# Altium PCB uz_per_voltage_measurement.PcbDoc (part 1 of 2) (continued)
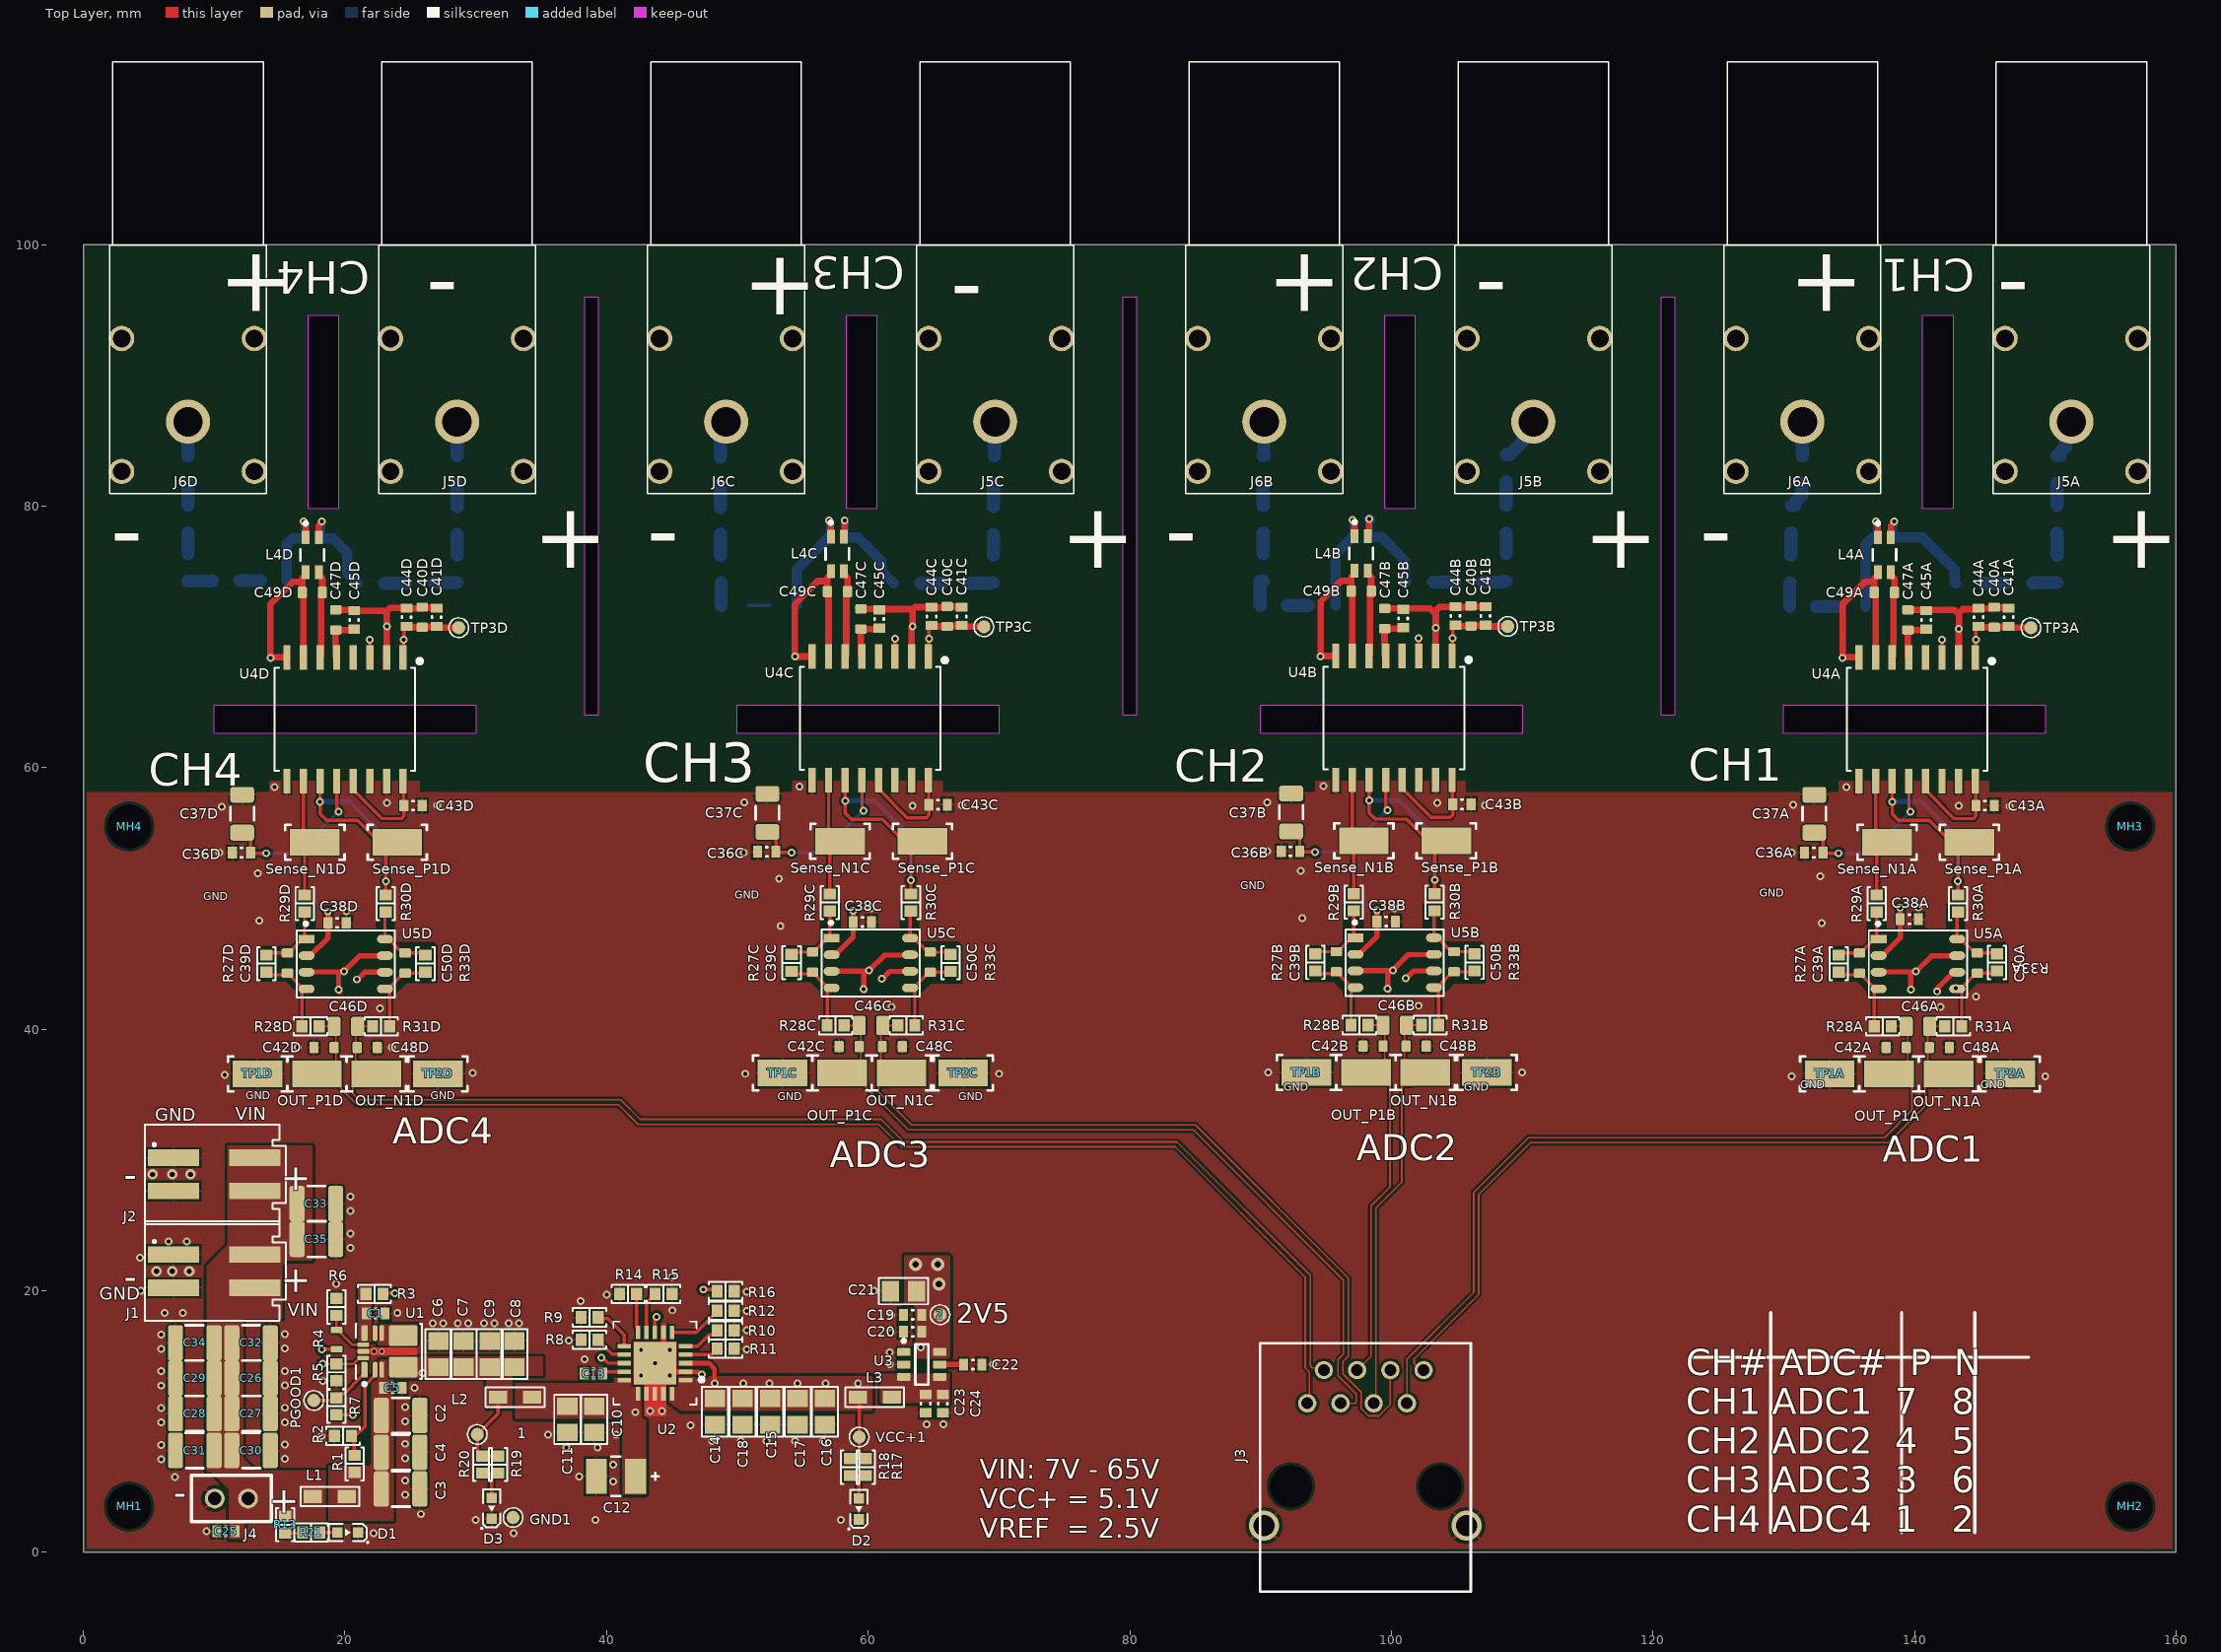
[diagram p0: Top Layer view]
## Footprints (in the part's own frame and the unit in brackets; to place one, negate y for a bottom-side part, rotate by r counter-clockwise, add the part's x,y. Pads: shape width x height; smd on the part's side, far side on the other; paste and mask are expansions set on the pad) (continued)
  silkscreen extent -4.6,-5.37 3.92,5.87, body extent -5.32,-5.25 5.32,5.25, height 2.64
TI_SOT23_6-Leads [mm] "SOT23, 6-Leads, Body 3.05x1.75mm, Pitch 0.95mm, IPC Medium Density"
  rrect17% 1x0.6 smd: 1(-1.375,0.95) 2(-1.375,0) 3(-1.375,-0.95) 4(1.375,-0.95) 5(1.375,0) 6(1.375,0.95)
  silkscreen extent -1.5,-1.55 0.5,1.92, body extent -1.42,-1.46 1.42,1.46, height 1.11
TP_1mm [mm]
  round 1 smd paste-1: 1(0,0)
  silkscreen extent -0.75,-0.75 0.75,0.75
TSW-102-XX-XXX-S [mil]
  round 60 hole 40 mask+3: 1(-50,0) 2(50,0)
  silkscreen extent -120,-70 120,70, body extent -105,-50 100,50, height 330
UZ_Logo_small [mm] "logo width 3cm"
  silkscreen extent -0.05,0.57 29.94,12.12
"WE-CBF_0805_High Current" [mm] "SMD EMI Suppression Ferrite  Bead, body 2.0mmx1.2mm"
  rect 1.4x1 smd: 1(-1.3,0) 2(1.3,0)
  silkscreen extent -2.25,-0.75 2.25,0.75, body extent -1,-0.6 1,0.6, height 0.93
WL-SMCW_0603 [mm] "SMD Mono-color Chip LED, body 1.6x0.8mm"
  rect 0.8x0.8 smd: 1(-0.8,0) 2(0.8,0)
  silkscreen extent -1.59,-0.65 1.45,0.83, body extent -0.8,-0.4 0.8,0.4, height 0.7

## Part data
1 2 VCC+1: library part NULL, "Testpoint 1mm", Component Type=Testpoint, Created=2018_06_25_AGeiger, Created from=AGeiger, Created On="20/09/2022 13:14:57", Last Updated="20/09/2022 13:15:39", Live Cycle Status=1, Manufacturer=NULL, Manufacturer Part Number=NULL, PartID=9, Supplier 1=NULL, Supplier Part Number 1=NULL, Type=Testpoint
C1 C13 C20 C22 C24 C36A C36B C36C C36D: library part CL10A105KB8NNNC, "50V 1uF X5R ±10% 0603  Multilayer Ceramic Capacitors MLCC - SMD/SMT ROHS", Device Package=0603, LCSC Part Number=C15849, Manufacturer="Samsung Electro-Mechanics", Operating Temperature="-55 - 85°C", Tolerance="10 %", Voltage Rating="50 VDC", Component Type="Capacitor 0603", ComponentLink1Description=Datasheet, ComponentLink1URL=https://datasheet.lcsc.com/lcsc/1810261812_Samsung-Electro-Mechanics-CL10A105KB8NNNC_C15849.pdf, Created from=MGremer, Live Cycle Status=1, Manufacturer Part Number=CL10A105KB8NNNC, Mounting Type=SMD, PartID=5, Series=M, Stock number="Labor SMD Container", Supplier 1=LCSC, Supplier Part Number 1=C15849, Type=Capacitor
  C1 C13 C20 C22 C24: Created On="20/12/2020 13:54:13", Last Updated="28/11/2022 17:23:01"
  C36A C36B C36C C36D: Created On="20.12.2020 13:54:13", Last Updated="28.11.2022 17:23:01"
C2 C3 C4 C26 C27 C28 C29 C30 C31 C32 C33 C34 C35: library part FS32X225K101EGG, "100V 2.2uF X7R ±10% 1210 Multilayer Ceramic Capacitors MLCC - SMD/SMT ROHS", Device Package=1210, LCSC Part Number=C153036, Manufacturer="PSA(Prosperity Dielectrics)", Operating Temperature="-55 to +125°C", Tolerance=10%, Voltage Rating="100 VDC", Component Type="Capacitor 1210", ComponentLink1Description=Datasheet, ComponentLink1URL=https://www.lcsc.com/datasheet/lcsc_datasheet_2410121308_PSA-Prosperity-Dielectrics-FS32X225K101EGG_C153036.pdf, Created from=AGeiger, Created On="11.03.2025 16:22:30", Last Updated="27.05.2025 19:11:48", Live Cycle Status=1, Manufacturer Part Number=FS32X225K101EGG, Mounting Type=SMD, PartID=170, Series=FS, Supplier 1=LCSC, Supplier Part Number 1=C153036, Type=Capacitor
C5 C19 C23 C25 C38A C38B C38C C38D: library part C1608X7S2A104KT000N, "100V 100nF X7S ±10% 0603 Multilayer Ceramic Capacitors MLCC - SMD/SMT ROHS", Device Package=0603, LCSC Part Number=C343025, Manufacturer=TDK, Operating Temperature="-55 to 125°C", Tolerance="10 %", Voltage Rating="100 VDC", Component Type="Capacitor 0603", ComponentLink1Description=Datasheet, ComponentLink1URL=https://datasheet.lcsc.com/lcsc/2304140030_TDK-C1608X7S2A104KT000N_C343025.pdf, Created from=AGeiger, Live Cycle Status=1, Manufacturer Part Number=C1608X7S2A104KT000N, Mounting Type=SMD, PartID=148, Series=X7R, Stock number="not stored", Supplier 1=LCSC, Supplier Part Number 1=C343025, Type=Capacitor
  C5 C19 C23 C38A C38B C38C C38D: Created On="20.12.2020 13:54:13", Last Updated="14.12.2022 12:14:21"
  C25: Created On="20/12/2020 13:54:13", Last Updated="14/12/2022 12:14:21"
C6 C7 C8 C9 C10 C11 C14 C15 C16 C17 C18 C21: library part GRM21BR6YA106KE43L, "Capacitor 0805, 35 VDC, 10 µF, X5R", Device Package=0805, LCSC Part Number=C162422, Manufacturer=muRata, Operating Temperature="-55 - 85°C", Supplier Part Number 1=81-GRM21BR6YA106KE3L, Tolerance="10 %", Voltage Rating="35 VDC", Component Type="Capacitor 0805", ComponentLink1Description=Datasheet, ComponentLink1URL=https://www.mouser.de/datasheet/2/281/murata_03052018_GRM_Series_1-1310166.pdf, Created from=MGremer, Created On="20.12.2020 13:54:13", Last Updated="20.12.2020 17:44:37", Live Cycle Status=1, Manufacturer Part Number=GRM21BR6YA106KE43L, Mounting Type=SMD, PartID=28, Series=GRM, Stock number="Labor SMD Container", Supplier 1=Mouser, Type=Capacitor
C12: library part 10TPE47MAZB, "Tantalum Capacitors - Polymer 10volts 47uF ESR 35mohm", Device Package="1210 (3528 metric)", LCSC Part Number=C147768, Manufacturer=Panasonic, Operating Temperature="-55 to +105°C", Supplier Part Number 1=667-10TPE47MAZB, Tolerance="20 %", Voltage Rating="10 VDC", Component Type="Tantalum Capacitor", ComponentLink1Description=Datasheet, ComponentLink1URL=https://industrial.panasonic.com/cdbs/www-data/pdf/AAA8000/AAA8000C36.pdf, Created from=Kilhan, Created On="26/06/2025 16:14:36", Last Updated="26/06/2025 16:39:07", Live Cycle Status=1, Manufacturer Part Number=10TPE47MAZB, Mounting Type=SMD, PartID=173, Series=TPE, Stock number="not stored", Supplier 1=Mouser, Supplier 2=LCSC, Supplier Part Number 2=C147768, Type=Capacitor
C37A C37B C37C C37D: library part CC1206KRX7R9BB102, "1nF 50V X7R ±10% 1206 Multilayer Ceramic Capacitors MLCC - SMD/SMT ROHS", Device Package=1206, LCSC Part Number=C107207, Manufacturer=YAGEO, Operating Temperature="-55 to +125°C", Tolerance="10 %", Voltage Rating="50 VDC", Component Type="Capacitor 1206", ComponentLink1Description=Datasheet, ComponentLink1URL=https://jlcpcb.com/partdetail/YAGEO-CC1206KRX7R9BB102/C107207, Created from=NDiringer, Created On="25.08.2025 08:45:14", Last Updated="25.08.2025 08:45:14", Live Cycle Status=1, Manufacturer Part Number=CC1206KRX7R9BB102, Mounting Type=SMD, PartID=505, Series=X7R, Stock number="not stored", Supplier 1=JLCPCB, Supplier 2=LCSC, Supplier Part Number 1=C107207, Supplier Part Number 2=C107207, Type=Capacitor
C39A C39B C39C C39D C49A C49B C49C C49D C50A C50B C50C C50D: library part CL10C220JB8NNNC, "50V 22pF C0G ±5% 0603 Multilayer Ceramic Capacitors MLCC - SMD/SMT ROHS", Device Package=0603, LCSC Part Number=C1653, Manufacturer="Samsung Electro-Mechanics", Operating Temperature="–55 to 125°C", Tolerance=5%, Voltage Rating=50V, Component Type="Capacitor 0603", ComponentLink1Description=Datasheet, ComponentLink1URL=https://jlcpcb.com/api/file/downloadByFileSystemAccessId/8579707043277824000, Created from=Kilhan, Created On="22.06.2025 13:02:55", Last Updated="22.06.2025 13:02:55", Live Cycle Status=1, Manufacturer Part Number=CL10C220JB8NNNC, Mounting Type=SMD, PartID=172, Series=C0G, Stock number="not stored", Supplier 1=LCSC, Supplier Part Number 1=C1653, Type=Capacitor
C40A C40B C40C C40D C47A C47B C47C C47D: library part CC0603KRX7R9BB102, "1nF 50V X7R ±10% 0603 Multilayer Ceramic Capacitors MLCC - SMD/SMT ROHS", Device Package=0603, LCSC Part Number=C100040, Manufacturer=YAGEO, Operating Temperature="-55 to +125°C", Tolerance="10 %", Voltage Rating="50 VDC", Component Type="Capacitor 0603", ComponentLink1Description=Datasheet, ComponentLink1URL=https://jlcpcb.com/partdetail/YAGEO-CC0603KRX7R9BB102/C100040, Created from=NDiringer, Created On="25.08.2025 09:10:16", Last Updated="25.08.2025 09:34:56", Live Cycle Status=1, Manufacturer Part Number=CC0603KRX7R9BB102, Mounting Type=SMD, PartID=507, Series=X7R, Stock number="not stored", Supplier 1=JLCPCB, Supplier 2=LCSC, Supplier Part Number 1=C100040, Supplier Part Number 2=C100040, Type=Capacitor
C41A C41B C41C C41D: library part CC0603KRX5R9BB105, "1uF 50V X5R ±10% 0603 Multilayer Ceramic Capacitors MLCC - SMD/SMT ROHS", Device Package=0603, LCSC Part Number=C15849, Manufacturer=YAGEO, Operating Temperature="-55 to +125°C", Supplier Part Number 1=C128624, Tolerance="10 %", Voltage Rating="50 VDC", Component Type="Capacitor 0603", ComponentLink1Description=Datasheet, ComponentLink1URL=https://jlcpcb.com/partdetail/YAGEO-CC0603KRX5R9BB105/C128624, Created from=NDiringer, Created On="25.08.2025 09:26:51", Last Updated="25.08.2025 09:28:02", Live Cycle Status=1, Manufacturer Part Number=CC0603KRX5R9BB105, Mounting Type=SMD, PartID=508, Series=X7R, Stock number="not stored", Supplier 1=JLCPCB, Supplier 2=LCSC, Supplier Part Number 2=C15849, Type=Capacitor
C42A C42B C42C C42D C48A C48B C48C C48D: library part CC0603JRX7R9BB683, "50V 68nF X7R ±5% 0603 Multilayer Ceramic Capacitors MLCC - SMD/SMT ROHS", Device Package=0603, LCSC Part Number=C309475, Manufacturer=YAGEO, Operating Temperature="-55 to +125°C", Tolerance="5 %", Voltage Rating="50 VDC", Component Type="Capacitor 0603", ComponentLink1Description=Datasheet, ComponentLink1URL=https://jlcpcb.com/partdetail/YAGEO-CC0603JRX7R9BB683/C309475, Created from=NDiringer, Created On="14.08.2025 15:37:55", Last Updated="25.08.2025 09:35:07", Live Cycle Status=1, Manufacturer Part Number=CC0603JRX7R9BB683, Mounting Type=SMD, PartID=503, Series=X7R, Stock number="not stored", Supplier 1=JLCPCB, Supplier Part Number 1=C309475, Type=Capacitor
C43A C43B C43C C43D C44A C44B C44C C44D C45A C45B C45C C45D: library part CC0603KRX7R9BB104, "Capacitor 0603, 50 VDC, 100 nF, X7R", Device Package=0603, LCSC Part Number=C14663, Manufacturer=YAGEO, Operating Temperature="-55 - 125°C", Tolerance="10 %", Voltage Rating="50 VDC", Component Type="Capacitor 0603", ComponentLink1Description=Datasheet, ComponentLink1URL=https://datasheet.lcsc.com/lcsc/1809301912_YAGEO-CC0603KRX7R9BB104_C14663.pdf, Created from=AGeiger, Created On="22.08.2022 14:35:53", Last Updated="22.08.2022 14:35:53", Live Cycle Status=1, Manufacturer Part Number=CC0603KRX7R9BB104, Mounting Type=SMD, PartID=102, Series=X7R, Supplier 1=LCSC, Supplier 2=Mouser, Supplier Part Number 1=C14663, Supplier Part Number 2=603-CC603KRX7R9BB104, Type=Capacitor
C46A C46B C46C C46D: library part CC0805KKX7R9BB684, "50V 680nF X7R ±10% 0805 Multilayer Ceramic Capacitors MLCC - SMD/SMT ROHS", Device Package=0805, LCSC Part Number=C107133, Manufacturer=YAGEO, Operating Temperature="-55 to +125°C", Tolerance="10 %", Voltage Rating="50 VDC", Component Type="Capacitor 0805", ComponentLink1Description=Datasheet, ComponentLink1URL=https://jlcpcb.com/partdetail/YAGEO-CC0805KKX7R9BB684/C107133, Created from=NDiringer, Created On="14.08.2025 15:43:13", Last Updated="14.08.2025 15:43:13", Live Cycle Status=1, Manufacturer Part Number=CC0805KKX7R9BB684, Mounting Type=SMD, PartID=504, Series=X7R, Stock number="not stored", Supplier 1=JLCPCB, Supplier Part Number 1=C107133, Type=Capacitor
D1 D2 D3: "LED RED 520~625NM 90~100MCD@20MA TOP VIEW 0603 ROHS", Color=red, Device Package=0603, Forward Current I_f="20 mA", Forward Voltage U_f="2.1 V", LCSC Part Number=C2286, Manufacturer="Hubei KENTO Elec", Nominal Power="42 mW", Operating Temperature="-40 - 85 °C", Component Type="LED Diode", ComponentLink1Description=Datasheet, ComponentLink1URL=https://datasheet.lcsc.com/szlcsc/Hubei-KENTO-Elec-KT-0603R_C2286.pdf, Created from="T. Wendt", Created On="03/03/2021 10:06:23", Last Updated="04/03/2021 09:02:49", Light Intensity="110 mcd", Live Cycle Status=1, Manufacturer Part Number=KT-0603R, Mounting Type=SMD, PartID=8, Stock number="not stored", Supplier 1=LCSC, Supplier Part Number 1=C2286, Type=Standard, Wavelength="620 nm"
GND1 PGOOD1 TP3A TP3B TP3C TP3D: library part NULL, Component Type=Testpoint, Created=2018_06_25_AGeiger, Created from=AGeiger, Live Cycle Status=1, Manufacturer=NULL, Manufacturer Part Number=NULL, PartID=9, Supplier 1=NULL, Supplier Part Number 1=NULL, Type=Testpoint
  GND1: Created On="20/09/2022 13:14:57", Last Updated="20/09/2022 13:15:39"
  PGOOD1 TP3A TP3B TP3C TP3D: Created On="20.09.2022 13:14:57", Last Updated="20.09.2022 13:15:39"
INFO1: "Design InformationS", Manufacturer=UltraZohm, Supplier Part Number 1=-, Component Type="Design Information", ComponentLink1Description=https://docs.ultrazohm.com/, ComponentLink1URL=homepage, Created from=MGremer, Created On="03.11.2021 09:04:23", Last Updated="03.11.2021 09:28:34", Live Cycle Status=1, Manufacturer Part Number="Design Information", PartID=12, Supplier 1=-, Type="Design Information"
J1 J2: "P=2.54mm Wire To Board Connector ROHS", Device Package=Connector, LCSC Part Number=C7437440, Manufacturer=SAMTEC, Operating Temperature="-55 - +125 °C", Supplier Part Number 1=200-IPL110202LDK, Component Type="Samtec Connector", ComponentLink1Description=Datasheet, ComponentLink1URL=https://wmsc.lcsc.com/wmsc/upload/file/pdf/v2/lcsc/2312312026_Samtec-IPL1-102-02-L-D-K_C7437440.pdf, Created from=KIlhan, Created On="20/03/2025 08:58:37", Last Updated="20/03/2025 09:02:48", Live Cycle Status=1, Manufacturer Part Number=IPL1-102-02-L-D-K, Mounting Type=THT, Number of positions=2, Number of rows=2, PartID=59, Stock number="not stored", Supplier 1=Mouser, Supplier 2=LCSC, Supplier Part Number 2=C7437440, Type=Connector
J3: "RJ45Receptacle 1 Shielded Bend insert Without LED 0℃~+70℃ Plugin Ethernet Connectors / Modular Connectors (RJ45 RJ11) ROHS", LCSC Part Number=C386758, Manufacturer="Ckmtw(Shenzhen Cankemeng)", Operating Temperature=0℃~+70℃, ComponentLink1Description=Datasheet, ComponentLink1URL=https://jlcpcb.com/api/file/downloadByFileSystemAccessId/8588892085580021760, Created from=KIlhan, Created On="20/03/2025 09:19:07", Last Updated="20/03/2025 13:46:21", Manufacturer Part Number=R-RJ45R10P-B000, Mounting Type=THT, PartID=57, Series=RJ45, Supplier 1=LCSC, Supplier Part Number 1=C386758
J4: "Pin Header, 2.54mm, 2x1", Device Package=THT, Manufacturer=SAMTEC, Operating Temperature="-55 to +125 °C", Supplier Part Number 1=200-TSW10207FS, Component Type="Pin Header", ComponentLink1Description=Datasheet, ComponentLink1URL=https://suddendocs.samtec.com/catalog_english/tsw_th.pdf, CREATED BY="May 18, 2016 - Wendy Xin", Created from=AGeiger, Created On="02/12/2022 15:20:24", Last Updated="02/12/2022 15:20:30", Live Cycle Status=1, Manufacturer Part Number=TSW-102-07-F-S, Mounting Type=THT, Number of positions=2, Number of rows=1, PartID=13, PCB DECAL=TSW-102-XX-XXX-S, Series=TSW, Stock number="not stored", Supplier 1=Mouser, Type="Pin Header"
J5A J5B J5C J5D: library part FCR7350R, "FCR7350B, 1000V, 24A, RED", Device Package=THT, LCSC Part Number=C7437326, Manufacturer=Cliff, Operating Temperature="-40°C - 80°C", Supplier Part Number 1=3185-FCR7350R-ND, Component Type="PCB mount 4mm jack, Red", ComponentLink1Description=datasheet, ComponentLink1URL=https://www.cliffuk.co.uk/products/testleads/sockets/S16NPC.pdf, ComponentLink2Description=drawing, ComponentLink2URL=https://media.digikey.com/pdf/Data%20Sheets/Cliff%20Electronic%20LTD%20PDF's/FCR7350_Drawing.pdf, Created from=DHufnagel, Created On="13.06.2022 10:18:11", Last Updated="21.02.2024 15:19:13", Live Cycle Status=1, Manufacturer Part Number=FCR7350R, Minimum Order=1, Mounting Type=THT, PartID=7, Series=S16N-PC, Stock number="not stored", Supplier 1=Digi-Key, Supplier 2=farnell, Supplier 3=LCSC, Supplier Part Number 2=1854508, Supplier Part Number 3=C7437326, Type="PCB mount 4mm jack, Red FCR7350R, 1000V, 24A"
J6A J6B J6C J6D: library part FCR7350B, "FCR7350B, 1000V, 24A, BLACK", Device Package=THT, LCSC Part Number=C7437327, Manufacturer=Cliff, Operating Temperature="-40°C - 80°C", Supplier Part Number 1=3185-FCR7350B-ND, Component Type="PCB mount 4mm jack, Black", ComponentLink1Description=datasheet, ComponentLink1URL=https://www.cliffuk.co.uk/products/testleads/sockets/S16NPC.pdf, ComponentLink2Description=drawing, ComponentLink2URL=https://media.digikey.com/pdf/Data%20Sheets/Cliff%20Electronic%20LTD%20PDF's/FCR7350_Drawing.pdf, Created from=DHufnagel, Created On="13.06.2022 10:18:11", Last Updated="21.02.2024 15:21:29", Live Cycle Status=1, Manufacturer Part Number=FCR7350B, Minimum Order=1, Mounting Type=THT, PartID=6, Series=S16N-PC, Stock number="not stored", Supplier 1=Digi-Key, Supplier 2=farnell, Supplier 3=LCSC, Supplier Part Number 2=1854507, Supplier Part Number 3=C7437327, Type="PCB mount 4mm jack, Black	FCR7350B, 1000V, 24A"
L1 L2 L3: library part 742792040, "Inductance, 0805, 100 MHz, 600 Ohm, 2 A", DC current="2 A", Device Package=0805, LCSC Part Number=C2661857, Manufacturer="Wuerth Elektronik", Operating Temperature="-55 - 125 °C", Supplier Part Number 1=710-742792040, Component Type=Inductance, ComponentLink1Description=Datasheet, ComponentLink1URL=https://www.mouser.de/datasheet/2/445/742792040-1720361.pdf, Created from=AGeiger, Created On="18/01/2021 14:53:17", Last Updated="22/08/2024 07:43:45", Live Cycle Status=1, Manufacturer Part Number=742792040, Mounting Type=SMD, PartID=1, Series=WE-CBF, Stock number="not stored", Supplier 1=Mouser, Type="Inductance SMD"
L4A L4B L4C L4D: library part CMP-06045-000034-1, "CMC 200MA 2LN 2.2 KOHM SMD", Case Code (Imperial)=1206, Current=200mA, DC Resistance (DCR)=1.2R, Insulation Resistance=10MR, Max Operating Temperature=85°C, Min Operating Temperature=-40°C, Package Quantity=1, Resistor Type=Wirewound, Self Resonant Frequency=100MHz, Tolerance=25%, Voltage Rating=50V, Voltage Rating (DC)=125V, Case/Package=1206, Current Rating=200mA, DC current=200mA, Depth=1.8mm, Height=1.9mm, Impedance=2.2kR, Lead Free="Lead Free", Length=3.2mm, Max DC Current=200mA, Military Standard=Not, Mount="Surface Mount", Number of Lines=2, Number of Pins=4, Packaging="Tape and Reel", Radiation Hardening=No, REACH SVHC="No SVHC", Shielding=Unshielded, Termination=SMD/SMT, Test Frequency=100MHz, Weight=0.001376oz, Width=0.063inch
LOGO1: library part "Logo small", Manufacturer=UltraZohm, Supplier Part Number 1=-, Component Type=Logo, ComponentLink1Description=https://docs.ultrazohm.com/, ComponentLink1URL=homepage, Created=Jan2021_Liegmann, Created from=MGremer, Created On="03.11.2021 09:04:23", Last Updated="03.11.2021 09:05:50", Live Cycle Status=1, Manufacturer Part Number="Logo small", PartID=10, Supplier 1=-, Type=Logo
MH1 MH2 MH3 MH4: Device Package=-, Component Type="Mounting Hole", ComponentLink1Description=Datasheet, Created from=MHlatky, Created On="26.01.2021 09:19:51", Last Updated="21.03.2022 23:05:12", Live Cycle Status=1, Manufacturer="Mounting Hole", Manufacturer Part Number="Mounting Hole", PartID=16, Stock number="not stored", Supplier 1="Mounting Hole", Supplier Part Number 1="Mounting Hole", Type="Mounting Hole"
OUT_N1A OUT_N1B OUT_N1C OUT_N1D OUT_P1A OUT_P1B OUT_P1C OUT_P1D Sense_N1A Sense_N1B Sense_N1C Sense_N1D Sense_P1A Sense_P1B Sense_P1C Sense_P1D TP1A TP1B TP1C TP1D TP2A TP2B TP2C TP2D: "Circuit Board Hardware - PCB SM TEST POINT ON T&R - MINIATURE", Device Package=SMD, LCSC Part Number=C5199798, Manufacturer="Keystone Electronics", Supplier Part Number 1=534-5015, Component Type="Circuit Board Hardware", ComponentLink1Description=Datasheet, ComponentLink1URL=https://www.mouser.de/datasheet/2/215/015-744075.pdf, ComponentLink2Description=Datasheet, ComponentLink2URL=http://www.keyelco.com/product-pdf.cfm?p=1357, Created from=AGeiger, Created On="03.06.2023 11:19:55", Last Updated="03.06.2023 11:43:17", Live Cycle Status=1, Manufacturer Part Number=5015, Mounting Type=SMD, PartID=26, Supplier 1=Mouser, Type="PCB SMD Testpoint"
R1 R6 R7 R13 R17 R18 R19 R20 R21: library part 0603WAF1002T5E, "SMD resistor 1%", Device Package=0603, LCSC Part Number=C25804, Manufacturer=UNI-ROYAL, Tolerance=1%, Component Type="SMD resistor", ComponentLink1Description=Datasheet, ComponentLink1URL=https://datasheet.lcsc.com/lcsc/2206010045_UNI-ROYAL-Uniroyal-Elec-0603WAF1002T5E_C25804.pdf, Created from=AGeiger, Created On="01/06/2023 06:49:29", Last Updated="01/06/2023 06:49:29", Live Cycle Status=1, Manufacturer Part Number=0603WAF1002T5E, Mounting Type=SMD, PartID=265, Supplier 1=LCSC, Supplier Part Number 1=C25804, Type=Resistor
R2: library part CRCW0603100KFKEAC, "SMD resistor 1%", Device Package=0603, Manufacturer=Vishay, Supplier Part Number 1=71-CRCW0603100KFKEAC, Tolerance=1%, Component Type="SMD resistor", ComponentLink1Description=Datasheet, ComponentLink1URL=https://www.mouser.de/datasheet/2/427/crcwce3-1762584.pdf, Created from=MGremer, Created On="14/12/2020 16:17:14", Last Updated="21/05/2021 10:03:40", Live Cycle Status=1, Manufacturer Part Number=CRCW0603100KFKEAC, Mounting Type=SMD, PartID=181, Stock number="not stored", Supplier 1=Mouser, Type=Resistor
R3 R5 R8 R9 R10 R11 R12 R14 R15 R16: library part RC0603JR-070RL, "SMD resistor E24 series", Device Package=0603, LCSC Part Number=C21189, Manufacturer=YAGEO, Supplier Part Number 1=603-RC0603JR-070RL, Tolerance=5%, Component Type="SMD resistor", ComponentLink1Description=Datasheet, ComponentLink1URL=https://www.mouser.de/datasheet/2/447/PYu-RC_Group_51_RoHS_L_10-1664068.pdf, Created from=MGremer, Created On="14/12/2020 16:17:14", Last Updated="04/03/2021 09:09:42", Live Cycle Status=1, Manufacturer Part Number=RC0603JR-070RL, Mounting Type=SMD, PartID=1, Stock number="Labor SMD Container", Supplier 1=Mouser, Supplier 2=LCSC, Supplier Part Number 2=C21189, Type=Resistor
R4: library part 0603WAF5102T5E, "100mW Thick Film Resistors 75V ±100ppm/℃ ±1% 51kΩ 0603 Chip Resistor - Surface Mount ROHS", Device Package=0603, LCSC Part Number=C23196, Manufacturer="UNI-ROYAL(Uniroyal Elec)", Tolerance=1%, Component Type="SMD resistor", ComponentLink1Description=Datasheet, ComponentLink1URL=https://jlcpcb.com/api/file/downloadByFileSystemAccessId/8579706288655699968, Created from=KIlhan, Created On="16/06/2025 17:07:49", Last Updated="18/06/2025 13:28:44", Live Cycle Status=1, Manufacturer Part Number=0603WAF5102T5E, Mounting Type=SMD, PartID=363, Stock number="not stored", Supplier 1=LCSC, Supplier Part Number 1=C23196, Type=Resistor
R22A R22B R22C R22D R23A R23B R23C R23D R24A R24B R24C R24D R25A R25B R25C R25D R26A R26B R26C R26D R34A R34B R34C R34D R35A R35B R35C R35D R36A R36B R36C R36D R37A R37B R37C R37D R38A R38B R38C R38D: library part RT0805BRD071ML, "-55℃~+155℃ 125mW 150V 1MΩ Thin Film Resistor ±0.1% ±25ppm/℃ 0805 Chip Resistor - Surface Mount ROHS", Device Package=0805, LCSC Part Number=C706228, Manufacturer=YAGEO, Tolerance=0.1%, Component Type="SMD resistor", ComponentLink1Description=Datasheet, ComponentLink1URL=https://jlcpcb.com/partdetail/YAGEO-RT0805BRD071ML/C706228, Created from=NDiringer, Created On="26.08.2025 13:45:09", Last Updated="26.08.2025 13:57:14", Live Cycle Status=1, Manufacturer Part Number=RT0805BRD071ML, Mounting Type=SMD, PartID=377, Stock number="not stored", Supplier 1=LCSC, Supplier 2=JLCPCB, Supplier Part Number 1=C706228, Supplier Part Number 2=C706228, Type=Resistor
R27A R27B R27C R27D R33A R33B R33C R33D: library part ERJ-PB3B2001V, "SMD resistor 0.1%", Device Package=0603, LCSC Part Number=C728588, Manufacturer=Panasonic, Supplier Part Number 1=667-ERJ-PB3B2001V, Tolerance=0.1%, Component Type="SMD resistor", ComponentLink1Description=Datasheet, ComponentLink1URL=https://www.mouser.de/datasheet/2/315/AOA0000C328-1530132.pdf, Created from=DHufnagel, Created On="14.12.2020 16:17:14", Last Updated="02.03.2021 14:07:32", Live Cycle Status=1, Manufacturer Part Number=ERJ-PB3B2001V, Mounting Type=SMD, PartID=215, Stock number="not stored", Supplier 1=Mouser, Supplier 2=LCSC, Supplier Part Number 2=C728588, Type=Resistor
R28A R28B R28C R28D R31A R31B R31C R31D: library part RC0603FR-0749R9L, "100mW Thick Film Resistors ±100ppm/℃ ±1% 49.9Ω 0603 Chip Resistor - Surface Mount ROHS", Device Package=0603, LCSC Part Number=C114625, Manufacturer=YAGEO, Tolerance=1%, Component Type="SMD resistor", ComponentLink1Description=Datasheet, ComponentLink1URL=https://datasheet.lcsc.com/lcsc/2304140030_YAGEO-RC0603FR-0749R9L_C114625.pdf, Created from=AGeiger, Created On="14.06.2023 17:42:26", Last Updated="14.06.2023 17:42:26", Live Cycle Status=1, Manufacturer Part Number=RC0603FR-0749R9L, Mounting Type=SMD, PartID=277, Supplier 1=LCSC, Supplier Part Number 1=C114625, Type=Resistor
R29A R29B R29C R29D R30A R30B R30C R30D: library part AR03BTCX1001, "100mW ±0.1% ±25ppm/℃ 1kΩ 0603 Chip Resistor - Surface Mount ROHS", Device Package=0603, LCSC Part Number=C304069, Manufacturer="Viking Tech", Tolerance=0.1%, Component Type="SMD resistor", ComponentLink1Description=Datasheet, ComponentLink1URL=https://datasheet.lcsc.com/lcsc/2011191435_Viking-Tech-AR03BTCX1001_C304069.pdf, Created from=AGeiger, Created On="03.09.2022 10:12:43", Last Updated="03.09.2022 10:12:43", Live Cycle Status=1, Manufacturer Part Number=AR03BTCX1001, Mounting Type=SMD, PartID=240, Supplier 1=LCSC, Supplier Part Number 1=C304069, Type=Resistor
R32A R32B R32C R32D: library part RQ73C1J10KBTD, "SMD resistor 0.1%, 10ppm", Device Package=0603, LCSC Part Number=C95204, Manufacturer="TE Connectivity", Supplier Part Number 1=279-RQ73C1J10KBTD, Tolerance=0.1%, Component Type="SMD resistor", ComponentLink1Description=Datasheet, ComponentLink1URL=https://www.mouser.de/datasheet/2/418/5/ENG_DS_1773270_2_B-1533717.pdf, Created from=DHufnagel, Created On="14.12.2020 16:17:14", Last Updated="21.02.2024 15:51:17", Live Cycle Status=1, Manufacturer Part Number=RQ73C1J10KBTD, Mounting Type=SMD, PartID=231, Stock number="not stored", Supplier 1=Mouser, Supplier 2=LCSC, Supplier Part Number 2=C95204, Type=Resistor
Serial1: library part "Serial Number", "Serial Number", Manufacturer=UltraZohm, Supplier Part Number 1=-, Component Type="Serial Number", ComponentLink1Description=https://docs.ultrazohm.com/, ComponentLink1URL=homepage, Created=2018_09_18_AGeiger, Created from=MGremer, Created On="03.11.2021 09:04:23", Last Updated="03.11.2021 09:28:34", Live Cycle Status=1, Manufacturer Part Number="Serial Number", PartID=11, Supplier 1=-, Type="Serial Number"
U1: library part TPSM365R6FRDNR, "3-V to 65-V input, 1-V to 13-V output, 0.6-A synchronous buck converter power module", Device Package=QFN-FCMOD, LCSC Part Number=C20346006, Manufacturer="Texas Instruments", Manufacturer Part Number=TPSM365R3FRDNR, Operating Temperature="-40 to +125 °C", Component Type="Power module with inductor", ComponentLink1Description=Datasheet, ComponentLink1URL=https://www.ti.com/lit/ds/symlink/tpsm365r3.pdf?ts=1747982141267, Created from=KIlhan, Created On="16/06/2025 17:12:20", Last Updated="16/06/2025 17:12:20", Live Cycle Status=1, Mounting Type=SMD, PartID=42, Series=TPSM365, Stock number="not stored", Supplier 1=LCSC, Supplier 2=Mouser, Supplier Part Number 1=C20346006, Supplier Part Number 2=595-TPSM365R6FRDNR, Type="Power module (integrated inductor)"
U2: "1-A, 36-V, low-noise, high-PSRR, low-dropout voltage regulator with enable", Arrow Part Number=TPS7A4701RGWR, Device Package=VQFN-20-EP(5x5), LCSC Part Number=C114839, Manufacturer="Texas Instruments", Mouser Part Number=595-TPS7A4701RGWR, Operating Temperature="-40 to +125 °C", Supplier Part Number 1=595-TPS7A4700RGWR, Arrow Price/Stock=https://www.arrow.com/en/products/tps7a4701rgwr/texas-instruments?utm_currency=USD&region=nac, Component Type=LDO, ComponentLink1Description=Datasheet, ComponentLink1URL=https://www.ti.com/lit/ds/symlink/tps7a47.pdf?ts=1750053970117&ref_url=https%253A%252F%252Fwww.ti.com%252Fproduct%252FTPS7A47%253FkeyMatch%253DTPS7A4701RGWR%2526tisearch%253Duniversal_search%2526usecase%253DOPN-ALT, Created from=KIlhan, Created On="16/06/2025 23:37:46", Datasheet Link=http://www.ti.com/lit/gpn/tps7a47, Geometry.Height=1mm, Last Updated="18/06/2025 15:16:15", Live Cycle Status=1, Manufacturer Part Number=TPS7A4700RGWR, Manufacturer_Name="Texas Instruments", Manufacturer_Part_Number=TPS7A4701RGWR, Mounting Type=SMD, Mouser Price/Stock=https://www.mouser.co.uk/ProductDetail/Texas-Instruments/TPS7A4701RGWR?qs=2YfbMANv382WBl7zEiZ0Og%3D%3D, PartID=20, Series=TPS7A47, Stock number="not stored", Supplier 1=Mouser, Supplier 2=LCSC, Supplier Part Number 2=C114839, Type=LDO
U3: "2.5V ±0.05% 2.75V~6V 10mA Fixed SOT-23-6 Voltage Reference ROHS", Device Package=SMD, LCSC Part Number=C6265005, Manufacturer="Texas Instruments", Operating Temperature=-40℃~+125℃, Supplier Part Number 1=595-REF35250QDBVR, Component Type="Voltage Reference", ComponentLink1Description=Datasheet, ComponentLink1URL=https://wmsc.lcsc.com/wmsc/upload/file/pdf/v2/lcsc/2311301509_Texas-Instruments-REF35250QDBVR_C6265005.pdf, Created from=KIlhan, Created On="20/03/2025 09:42:36", Last Updated="23/03/2025 21:09:34", Live Cycle Status=1, Manufacturer Part Number=REF35250QDBVR, Mounting Type=SMD, PartID=18, Stock number="not stored", Supplier 1=Mouser, Supplier 2=LCSC, Supplier Part Number 2=C6265005, Type="Voltage Reference"
U4A U4B U4C U4D: "±1-V input, precision voltage sensing reinforced isolated amplifier with integrated DC/DC", Device Package=SOIC-16, LCSC Part Number=C2999368, Manufacturer="Texas Instruments", Operating Temperature="-40 to +125 °C", Channels=1, Component Type="Differential Amplifier", ComponentLink1Description=Datasheet, ComponentLink1URL=https://www.ti.com/product/AMC3330, Created from=NDiringer, Created On="20.08.2025 13:08:03", Last Updated="20.08.2025 13:08:03", Live Cycle Status=1, Manufacturer Part Number=AMC3330DWE, Mounting Type=SMD, PartID=41, Series=AMC3330, Stock number="not stored", Supplier 1=LCSC, Supplier Part Number 1=C2999368, Type="Differential Amplifiers"
U5A U5B U5C U5D: library part THS4521IDGKR, "145MHz 240uV 700nA Single Channel 95MHz SOIC-8 Differential Amplifiers ROHS", Case/Package=SOIC8, Input Bias Current=900nA, Input Offset Voltage (Vos)=2mV, LCSC Part Number=C16092, Manufacturer="Texas Instruments", Manufacturer Part Number=THS4521IDR, Max Dual Supply Voltage=2.75V, Max Operating Temperature=85°C, Max Supply Voltage=5.5V, Min Dual Supply Voltage=1.5V, Min Operating Temperature=-40°C, Min Supply Voltage=2.5V, Nominal Supply Current=1.14mA, Operating Supply Voltage=5V, Output Current Per Channel=55mA, Package Quantity=2500, Power Supply Rejection Ratio (PSRR)=80dB, Supplier Part Number 1=595-THS4521IDR, Voltage Gain=119dB, -3db Bandwidth=145MHz, Bandwidth=145MHz, Category="Amplifiers - Op Amps, Buffer, Instrumentation", Common Mode Rejection Ratio=80dB, ComponentLink1Description="old Datasheet", ComponentLink1URL=https://datasheet.ciiva.com/14456/sbos458f-14456592.pdf?src-supplier=Avnet, ComponentLink2Description=Datasheet, ComponentLink2URL=https://datasheet.ciiva.com/18622/ths4521-18622155.pdf?src-supplier=Digi-Key, ComponentLink3Description=Manufacturer, ComponentLink3URL=https://www.ti.com/, Gain Bandwidth Product=95MHz, Lead Free="Lead Free", Max I/O Voltage=2mV, Number of Amplifiers=1, Number of Channels=1, Number of Circuits=1, Number of Elements=1, Number of Pins=8, Operating Supply Current=1.14mA, Packaging="Tape and Reel", Pricing 1="1=2,55000, 10=2,29000, 25=2,16000, 100=1,78000, 250=1,59000, 500=1,54000, 1000=1,28000, 2500=1,25000, 1=2,83000, 10=2,54000, 25=2,40000, 100=1,98000, 250=1,77000, 500=1,71000 (EUR)", Radiation Hardening=No, REACH SVHC="No SVHC", RoHS=Yes, Slew Rate=490V/µs, Stock 1=12114, Supplier 1=Mouser, Unity Gain Bandwidth Product=95MHz, Weight=0.000935oz

## Via types
v1: diameter 0.6, hole 0.3, Top Layer to 2V5_OCM, 209 vias
v2: diameter 0.8, hole 0.4, Top Layer to 2V5_OCM, tented both sides, 6 vias
v3: diameter 0.6, hole 0.3, Top Layer to 2V5_OCM, tented both sides, 3 vias
v4: diameter 1/1/1/1 (per signal layer), hole 0.5, Top Layer to 2V5_OCM, 3 vias
v5: diameter 0.45, hole 0.3, Top Layer to 2V5_OCM, 2 vias

## Nets (pads, with @x,y where several pads share a name; then routed paths per layer and width w, separated by ;. In a path a pad name is that pad's centre, name@x,y a point inside that pad or via, vN(x,y) a via of type N, cw(c..) or ccw(c..) an arc to the next point about the centre after c; other vN are vias at no path point)
2V5_OCM: 2.1 C19.2 C20.2 C21.2 C38A.1 C38B.1 C38C.1 C38D.1 U3.6 U5A.2 U5B.2 U5C.2 U5D.2 | length 17.2
  Top Layer w0.4: U5D.2@17.059,45.624 17.337,45.624 18.709,46.996 C38D.1@18.709,48.132 18.705,48.137 18.705,48.995 v1(18.7,49) ; U5C.2@57.209,45.693 57.487,45.693 58.859,47.064 C38C.1@58.859,48.201 58.855,48.205 58.855,49.064 v1(58.85,49.068) ; U5B.2@97.259,45.724 97.537,45.724 98.909,47.096 C38B.1@98.909,48.232 98.905,48.237 98.905,49.095 v1(98.9,49.1) ; U5A.2@137.259,45.624 137.537,45.624 138.909,46.996 138.909,48.132 138.9,48.142 v1(138.9,49.3)
  other v1: 64.038,15.667
  other v4: 65.417,20.511 63.617,22.011 65.317,22.011
6.1V: 1.1 C6.2 C7.2 C8.2 C9.2 L2.1 R4.2 R7.2 R19.1 R20.1 U1.4 | length 21.9
  Top Layer w0.254: v1(18.217,15.511) 18.229,15.522 19.341,15.522 R4.2@19.352,15.534 ; R7.2@19.352,10.514 19.355,10.511 v1(20.617,10.511) ; L2.1@31.702,11.864 31.702,10.596 1.1@30.117,9.011 30.117,7.711 30.467,7.361 R20.1@30.517,7.361 R19.1@31.717,7.361
  VCC+ w0.254: v1(18.217,15.511) 20.139,15.511 21.939,13.711 23.817,13.711 ; v1(20.617,10.511) 23.817,13.711 ; v1(25.917,13.711) 23.817,13.711